# Altium PCB PCBS.PcbDoc
Units mm, origin at the board's own origin, x right, y up, seen from the top; angles counter-clockwise.
Board outline 56.77 x 67.94 mm, 2 copper layers (Top Layer, Bottom Layer); 13 components, 14 nets, 79 pads, 6 vias.
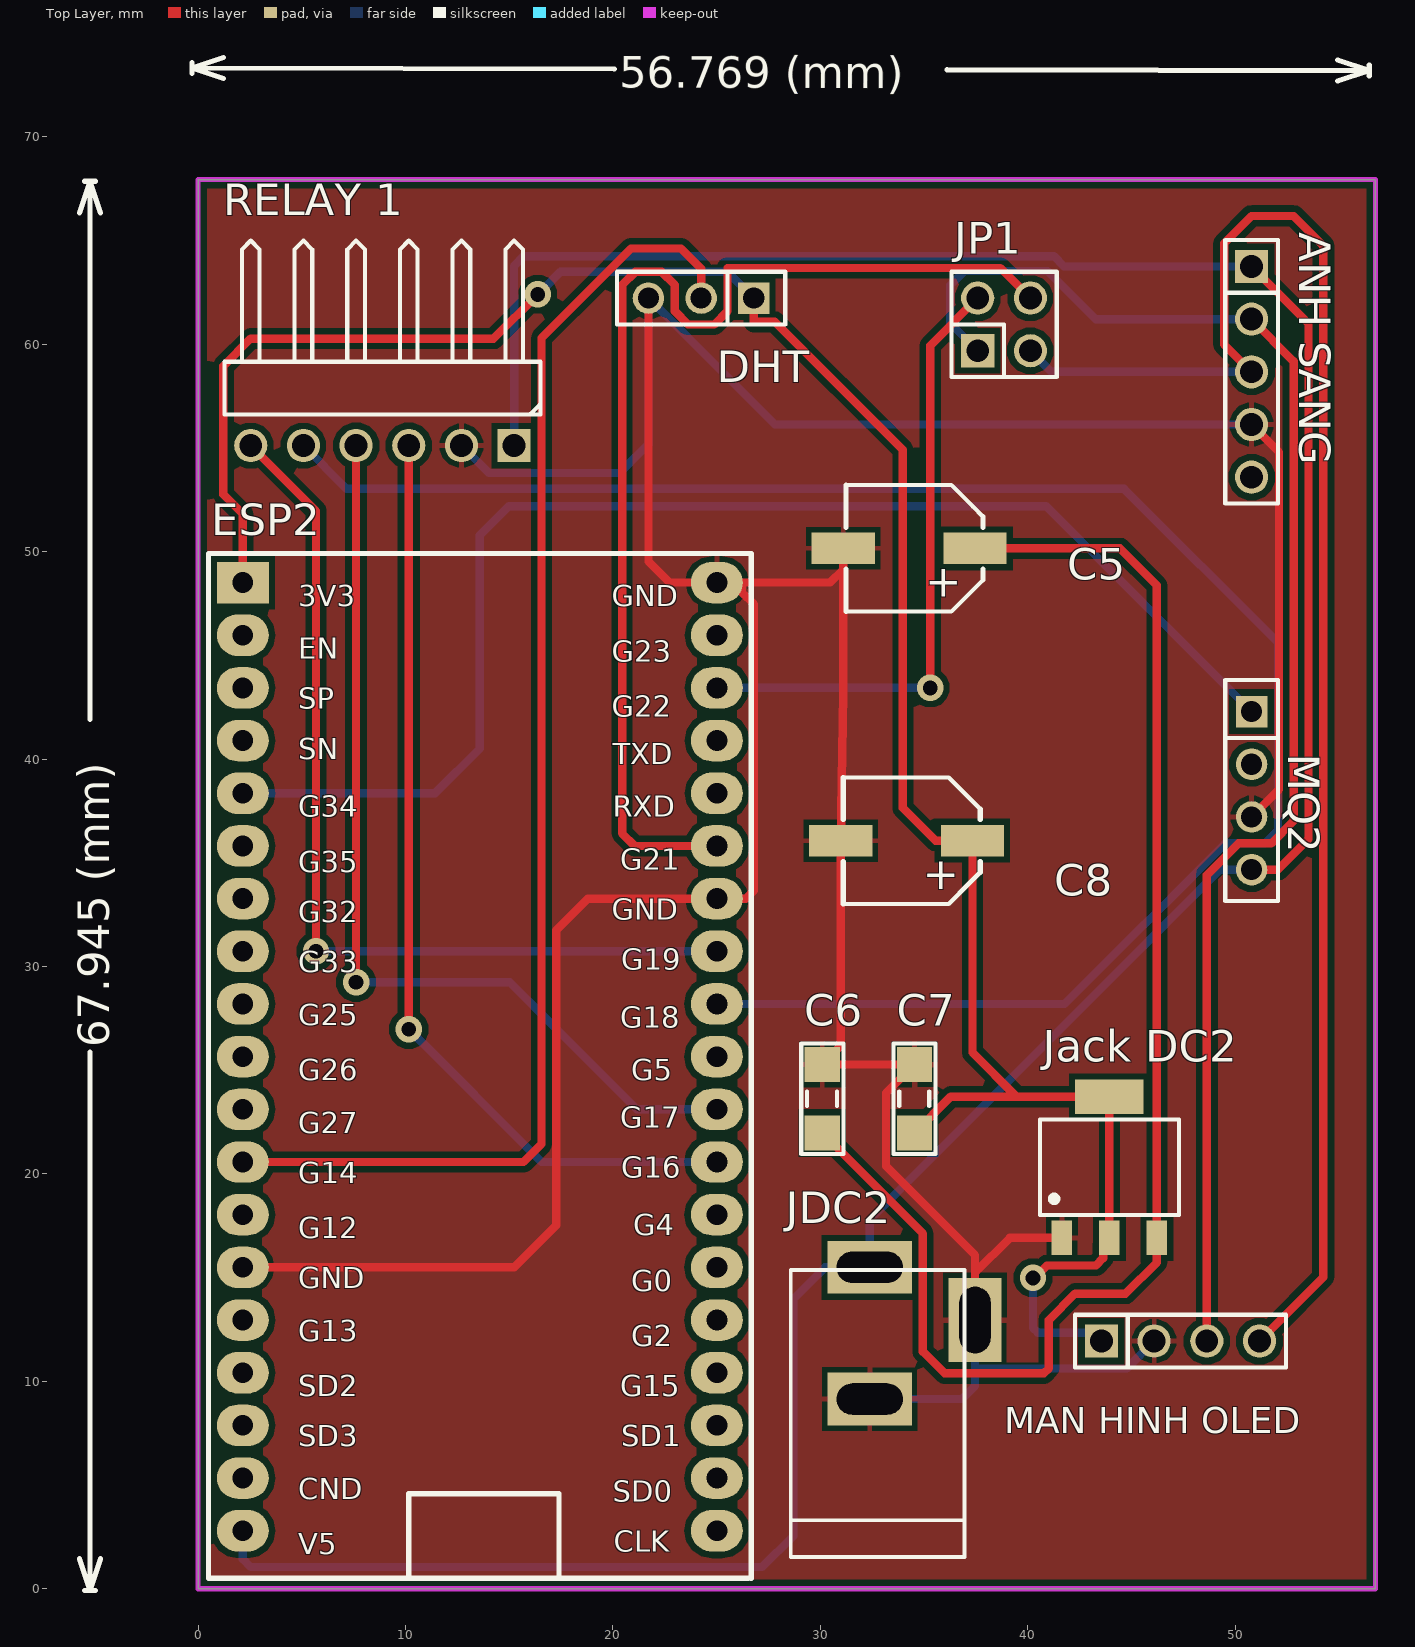
[diagram p0: Top Layer view]
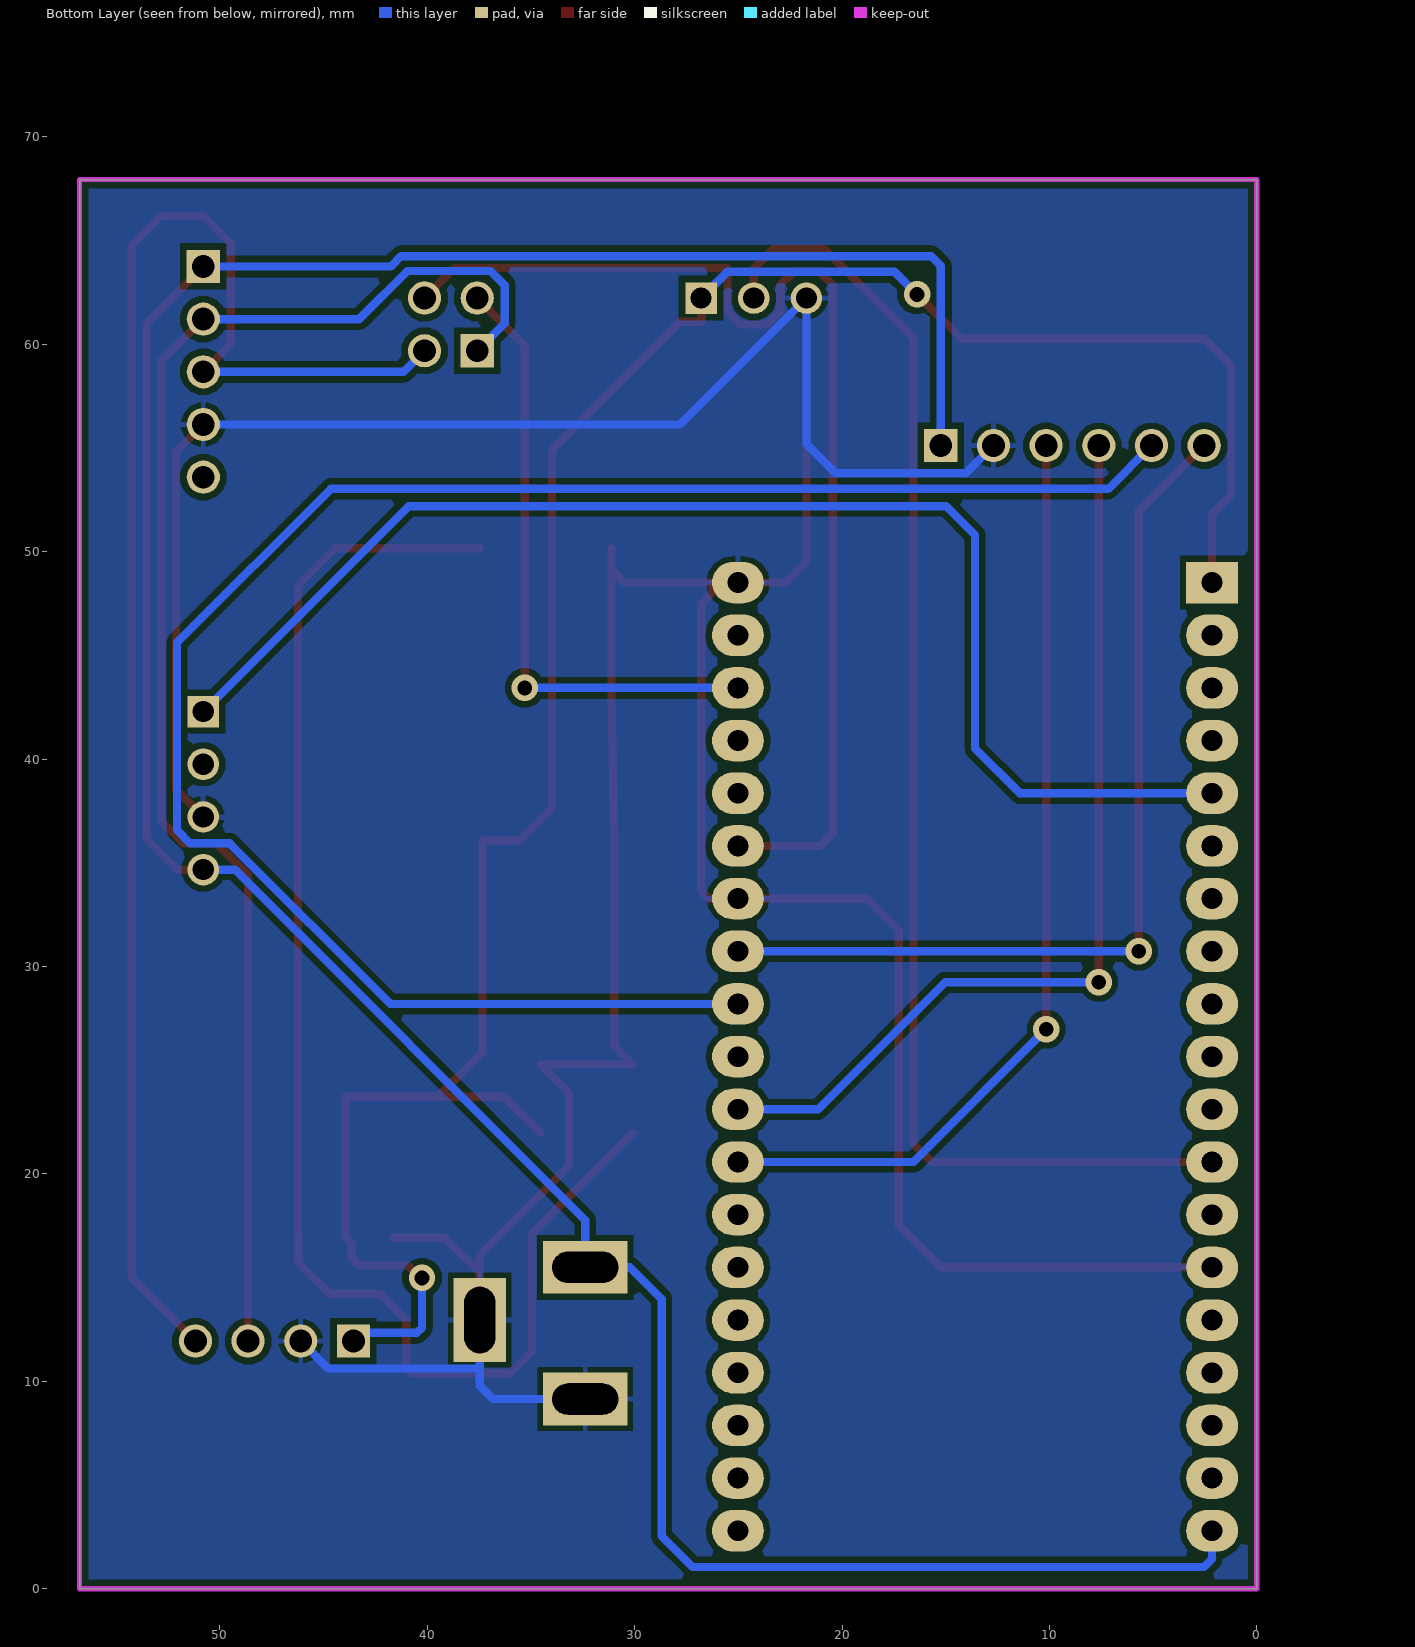
[diagram p1: Bottom Layer view, seen from below]
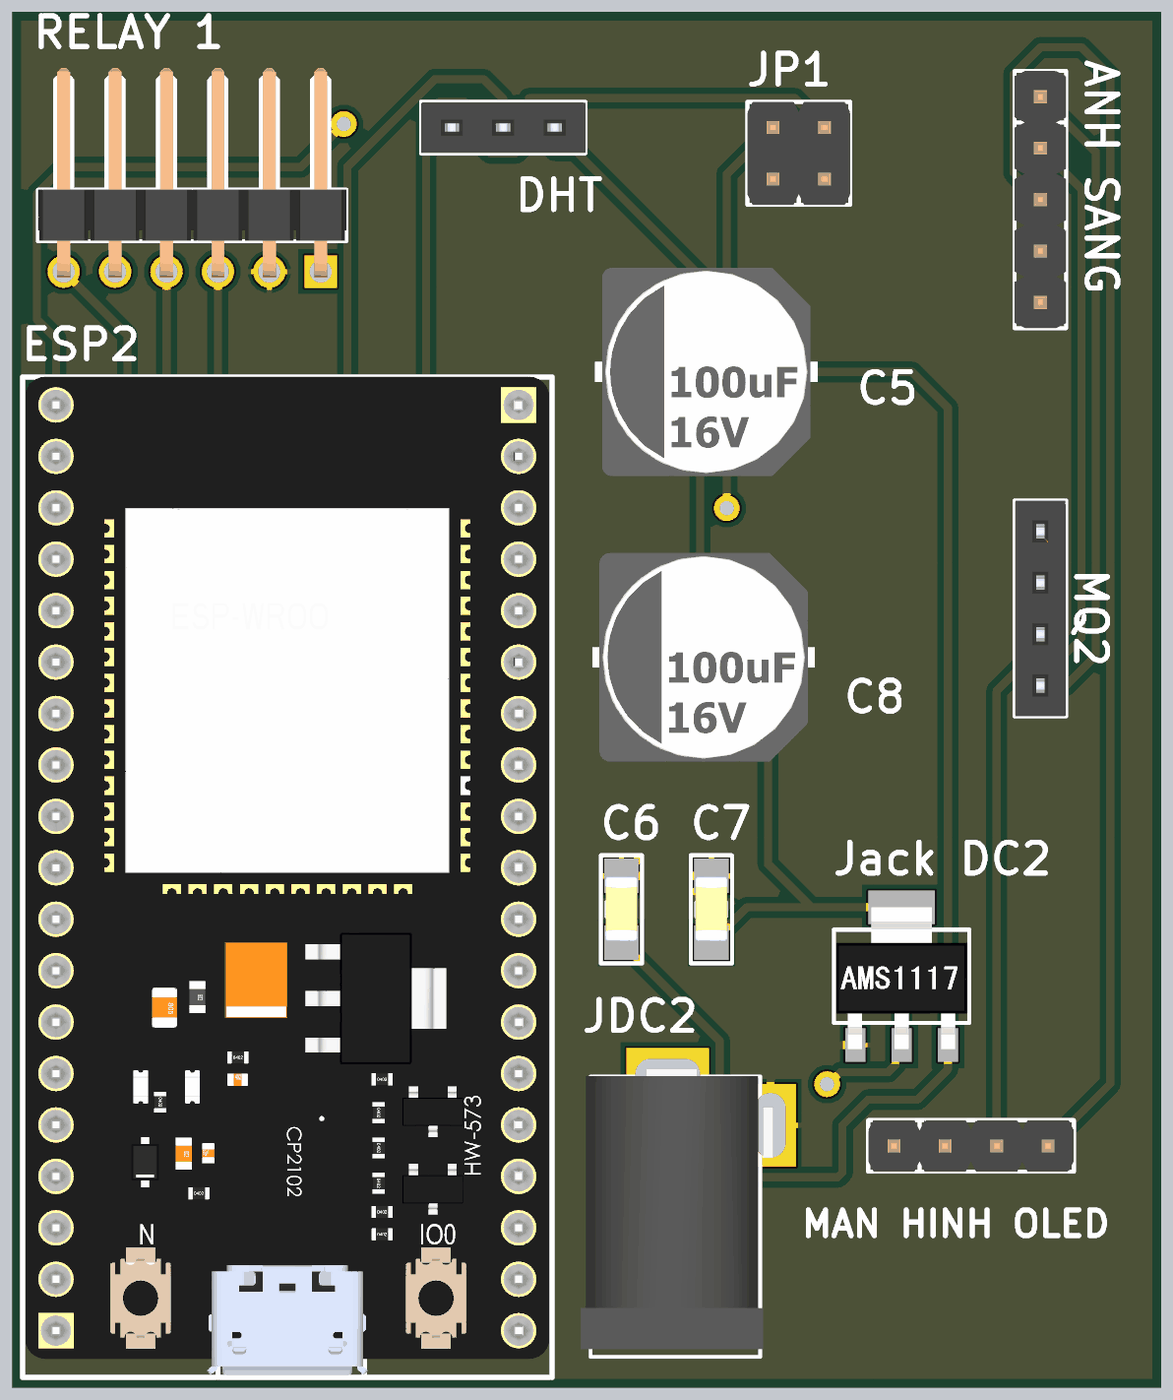
[diagram p2: 3D render of the assembled board from above, using the file's embedded part models]

## Layer stack, top to bottom
Top Solder: solder mask 0.0102, Solder Resist, Dk 3.5
Top Layer: signal copper 0.0356
Dielectric 1: dielectric 0.32, FR-4, Dk 4.8
Bottom Layer: signal copper 0.0356
Bottom Solder: solder mask 0.0102, Solder Resist, Dk 3.5

## Board outline
0,0 56.769,0 56.769,67.945 0,67.945

## Design rules (kind name [scope] priority, off if disabled: settings)
Clearance [All] p1: gap=0.31 ignorepadtopadclearanceinfootprint=FALSE
PolygonConnect [All] p1: connectstyle=Relief reliefconductorwidth=0.254 reliefentries=4 polygonreliefangle="90 Angle" airgapwidth=0.254
RoutingVias [All] p1: holewidth=0.711 width=1.27 viastyle="Through Hole" minholewidth=0.711 minwidth=1.27 maxholewidth=0.711 maxwidth=1.27
SolderMaskExpansion [All] p1: expansion=0.102 istentingtop=FALSE
Width [All] p1: maxlimit=0.5 minlimit=0.3 preferedwidth=0.4
30 further rules are at their usual default settings.

## Components (designator, comment, footprint, x,y, rotation, side; value= is the part's Value field where it differs from the comment)
"ANH SANG" "BH1750FVI" "JP 1x5 DT" 50.8,63.754 r270 top
C5 "100uF" 100UF/16V_SMD 34.29,50.165 r180 top
C6 "104" "tu 1206" 30.099,23.622 r90 top
C7 "104" "tu 1206" 34.544,23.622 r90 top
C8 "100uF" 100UF/16V_SMD 34.163,36.068 r180 top
DHT "DHT22" "JP 1x3 CT" 26.797,62.23 r180 top
ESP2 "ESP32 SLIVE" ESP32_38 13.589,25.654 r0 top
"Jack DC2" "AMS1117" AMS1117 43.942,20.32 r90 top
JDC2 "Jac DC" DC-IN 34.925,12.319 r90 top
JP1 "JP 2x2 2.54" "JP 2x2 DT" 38.862,60.96 r0 top
"MAN HINH OLED" "OLED" "JP 1x4 DT" 43.561,11.938 r0 top
MQ2 "MQ2" "JP 1x4 CT" 50.8,42.291 r270 top (schematic designator MQ1)
"RELAY 1" "RELAY 4 KÊNH" "JP 1x6 DC" 1.27,57.658 r180 top

## Footprints (in the part's own frame and the unit in brackets; to place one, negate y for a bottom-side part, rotate by r counter-clockwise, add the part's x,y. Pads: shape width x height; smd on the part's side, far side on the other; paste and mask are expansions set on the pad)
100UF/16V_SMD [mil]
  rect 120x60 smd: 1(-125,0) 2(125,0)
  silkscreen extent -140,-120 120,120, body extent -217,-203 217,203, height 311
AMS1117 [mm] "SOT-223"
  rect 1.65x1 smd: 1(-3.4,2.29) 2(-3.4,0) 3(-3.4,-2.29)
  rect 1.65x3.3 smd: 2(3.4,0)
  silkscreen extent -2.3,-3.35 2.3,3.35, body extent -3.6,-3.25 3.4,3.25, height 1.87
DC-IN [mm] "Jac DC input"
  rect 2.54x4.064 hole 1.5 slot 3.2 at 90 deg: 1(3.175,2.54) 2(-3.175,2.54)
  rect 4.064x2.54 hole 1.5 slot 3.2 at 0 deg: 3(0.635,-2.54)
  silkscreen extent -10.79,-2.03 3.05,6.35, body extent -10.42,-2.67 3.4,6.84, height 11.02
ESP32_38 [mm] "Microcontoller Board 38 Pins Wifi 2.4GHz BLE 4.2 ESP32-WROOM-32D"
  rect 2.5x2 hole 1: 1(-11.43,22.86)
  oval 2.5x2 hole 1: 2(-11.43,20.32) 3(-11.43,17.78) 4(-11.43,15.24) 5(-11.43,12.7) 6(-11.43,10.16) 7(-11.43,7.62) 8(-11.43,5.08) 9(-11.43,2.54) 10(-11.43,0) 11(-11.43,-2.54) 12(-11.43,-5.08) 13(-11.43,-7.62) 14(-11.43,-10.16) 15(-11.43,-12.7) 16(-11.43,-15.24) 17(-11.43,-17.78) 18(-11.43,-20.32) 19(-11.43,-22.86) 20(11.43,-22.86) 21(11.43,-20.32) 22(11.43,-17.78) 23(11.43,-15.24) 24(11.43,-12.7) 25(11.43,-10.16) 26(11.43,-7.62) 27(11.43,-5.08) 28(11.43,-2.54) 29(11.43,0) 30(11.43,2.54) 31(11.43,5.08) 32(11.43,7.62) 33(11.43,10.16) 34(11.43,12.7) 35(11.43,15.24) 36(11.43,17.78) 37(11.43,20.32) 38(11.43,22.86)
  silkscreen extent -13.08,-25.15 13.08,24.26, body extent -12.95,-25.04 12.95,24.28, height 7.2
"JP 1x3 CT" [mm]
  rect 1.52x1.52 hole 1.02: 1(0,0)
  round 1.52 hole 1.02: 2(2.54,0) 3(5.08,0)
  silkscreen extent -1.52,-1.27 6.6,1.27, body extent -1.52,-1.25 6.6,1.25, height 8.51
"JP 1x4 CT" [mm]
  rect 1.52x1.52 hole 1.02: 1(0,0)
  round 1.52 hole 1.02: 2(2.54,0) 3(5.08,0) 4(7.62,0)
  silkscreen extent -1.52,-1.27 9.14,1.27, body extent -1.52,-1.25 9.14,1.25, height 8.51
"JP 1x4 DT" [mm] "4 pins, 1 row, straight, gold plating"
  rect 1.6x1.6 hole 1.1: 1(0,0)
  round 1.6 hole 1.1: 2(2.54,0) 3(5.08,0) 4(7.62,0)
  silkscreen extent -1.27,-1.27 8.89,1.27, body extent -1.27,-1.27 8.89,1.27, height 8.54
"JP 1x5 DT" [mm] "5 pins, 1 row, straight, gold plating"
  rect 1.6x1.6 hole 1.1: 1(0,0)
  round 1.6 hole 1.1: 2(2.54,0) 3(5.08,0) 4(7.62,0) 5(10.16,0)
  silkscreen extent -1.27,-1.27 11.43,1.27, body extent -1.27,-1.27 11.43,1.27, height 8.54
"JP 1x6 DC" [mm] "6 pins, 1 row, right angled, gold plating"
  rect 1.6x1.6 hole 1.1: 1(-13.97,2.54)
  round 1.6 hole 1.1: 2(-11.43,2.54) 3(-8.89,2.54) 4(-6.35,2.54) 5(-3.81,2.54) 6(-1.27,2.54)
  silkscreen extent -15.24,-7.34 0,1.04, body extent -15.24,-7.52 0,2.84, height 2.54
"JP 2x2 DT" [mm] "JP 2x2 DT"
  rect 1.6x1.6 hole 1.1: 1(-1.27,-1.27)
  round 1.6 hole 1.1: 2(1.27,-1.27) 3(1.27,1.27) 4(-1.27,1.27)
  silkscreen extent -2.54,-2.54 2.54,2.54, body extent -2.54,-2.54 2.54,2.54, height 8.55
"tu 1206" [mm]
  rect 1.7x1.7 smd: 1(-1.65,0) 2(1.65,0)
  silkscreen extent -2.67,-1.02 2.67,1.02, body extent -1.57,-0.8 1.63,0.8, height 0.94

## Part data
"ANH SANG": library part "JP 1x5 2.54 Duc Thang", "Cắm", Chung_Loai=Cắm, Don_Vi=Con, Ma_Hang=MH000903, Ten_Linh_Kien="Jump Đơn Đực 2.54MM 1x40P Thẳng 11MM"
C5 C8: library part Cap100uF_SMD
C6 C7: library part "Tu 1206 104 50V 20%", "Dán", Chung_Loai=Dán, Don_Vi=Con, Ma_Hang=MH004544, So_Chan=2, Ten_Linh_Kien="Tụ 1206 104-0.1uF 20% 50V"
DHT: library part "JP 1x3 2.54 Cai Thang", "Cắm", Chung_Loai=Cắm, Don_Vi=Con, Ma_Hang=MH004006, Ten_Linh_Kien="Jump Đơn Cái 2.54MM 1x20P Thẳng"
ESP2: library part ESP32_38, "Microcontoller Board 38 Pins Wifi 2.4GHz BLE 4.2 ESP32-WROOM-32D", ComponentLink1Description=Datasheet, ComponentLink1URL=https://www.mouser.com/datasheet/2/891/esp32_wroom_32d_esp32_wroom_32u_datasheet_en-1365844.pdf
"Jack DC2": "IC REG LINEAR 1A SOT-89-3L", JLCPCB PN=C963410, ComponentLink1Description=Datasheet, ComponentLink1URL=http://www.advanced-monolithic.com/pdf/ds1117.pdf, Digikey PN=4518-AMS1117-3.3CT-ND
JDC2: library part DCIN, "Jac DC input"
JP1: library part "JP 2x2 2.54 Duc Thang", "Cắm", Chung_Loai=Cắm, Don_Vi=Con, Ma_Hang=MH002686, Ten_Linh_Kien="Jump Đôi Đực 2.54MM 2x40P Thẳng 11MM"
"MAN HINH OLED": library part "JP 1x4 2.54 Duc Thang", "Cắm", Chung_Loai=Cắm, Don_Vi=Con, Ma_Hang=MH000903, Ten_Linh_Kien="Jump Đơn Đực 2.54MM 1x40P Thẳng 11MM"
MQ2: library part "JP 1x4 2.54 Cai Thang", "Cắm", Chung_Loai=Cắm, Don_Vi=Con, Ma_Hang=MH004006, Ten_Linh_Kien="Jump Đơn Cái 2.54MM 1x20P Thẳng"
"RELAY 1": library part "JP 1x6 2.54 Duc Cong", "Cắm", Chung_Loai=Cắm, Don_Vi=Con, Ma_Hang=MH000904, Ten_Linh_Kien="Jump Đơn Đực 2.54MM 1x40P Cong Đứng"

## Via types
v1: diameter 1.27, hole 0.711, Top Layer to Bottom Layer, 6 vias

## Nets (pads, with @x,y where several pads share a name; then routed paths per layer and width w, separated by ;. In a path a pad name is that pad's centre, name@x,y a point inside that pad or via, vN(x,y) a via of type N, cw(c..) or ccw(c..) an arc to the next point about the centre after c; other vN are vias at no path point)
+3.3V: "Jack DC2.2" "MAN HINH OLED.1" C7.1 C8.1 DHT.1 ESP2.1 | length 112
  Top Layer w0.4: ESP2.1 2.159,51.816 1.219,52.756 1.219,58.953 2.54,60.274 14.249,60.274 v1(16.383,62.408) ; DHT.1 26.797,61.087 27.813,61.087 33.985,54.915 33.985,37.643 35.56,36.068 C8.1 37.338,25.857 39.475,23.72 ; C7.1 36.292,23.72 39.475,23.72 ; v1(40.259,14.986) 40.329,14.986 40.928,15.585 43.293,15.585 43.642,15.934 43.642,16.62 43.942,16.92 43.942,23.72 39.475,23.72
  Bottom Layer w0.4: v1(16.383,62.408) 17.475,63.5 25.527,63.5 DHT.1 ; v1(40.259,14.986) 40.259,12.576 40.493,12.342 43.157,12.342 43.561,11.938
+5: "ANH SANG.1" "RELAY 1.1" ESP2.19 JDC2.1 MQ2.4 | length 148.9
  Top Layer w0.4: MQ2.4 52.07,34.671 53.541,36.142 53.541,61.013 50.8,63.754
  Bottom Layer w0.4: ESP2.19 2.159,1.422 2.54,1.041 27.203,1.041 28.702,2.54 28.702,13.97 30.226,15.494 JDC2.1 32.385,17.78 49.276,34.671 MQ2.4 ; 15.24,55.118 15.24,62.33 15.238,62.332 15.238,63.785 15.703,64.25 41.262,64.25 41.758,63.754 50.8,63.754
+5V: "Jack DC2.3" C5.1 C6.1 | length 70
  Top Layer w0.4: C6.1 34.95,17.121 34.95,11.43 35.992,10.389 40.787,10.389 41.021,10.623 41.021,12.954 42.291,14.224 44.724,14.224 46.23,15.729 46.23,16.918 46.232,16.92 46.232,48.383 44.45,50.165 C5.1
DHT22: DHT.2 ESP2.12 | length 64.9
  Top Layer w0.4: ESP2.12 15.697,20.574 16.561,21.438 16.561,60.304 20.874,64.618 23.289,64.618 24.257,63.65 DHT.2
GND: "ANH SANG.4" "Jack DC2.1" "MAN HINH OLED.2" "RELAY 1.2" C5.2 C6.2 C7.2 C8.2 DHT.3 ESP2.14 ESP2.32 ESP2.38 JDC2.2 JDC2.3 MQ2.3 | length 214.1
  Top Layer w0.4: ESP2.14 15.24,15.494 17.272,17.526 17.272,31.75 18.796,33.274 ESP2.32 26.416,33.274 26.797,33.655 26.797,47.473 26.238,48.031 ESP2.38@26.238,48.514 ; DHT.3 21.717,49.53 22.733,48.514 ESP2.38 ESP2.38@26.238,48.514 ; C5.2 31.115,49.149 ; JDC2.3 37.465,15.24 ; 41.652,16.92 39.145,16.92 37.465,15.24 ; MQ2.3 52.121,38.532 52.121,54.813 50.8,56.134 ; ESP2.38@26.238,48.514 30.48,48.514 31.115,49.149 ; 31.115,49.149 31.115,43.18 C8.2 30.988,26.161 C6.2 C7.2 33.172,23.9 33.172,20.371 37.465,16.078 37.465,15.24
  Bottom Layer w0.4: 12.7,55.118 14.021,53.797 20.32,53.797 21.717,55.194 DHT.3 27.813,56.134 50.8,56.134 ; JDC2.2 36.83,9.144 37.465,9.779 37.465,10.617 ; JDC2.3 37.465,10.617 ; 46.101,11.938 44.78,10.617 37.465,10.617
IO21: ESP2.33 JP1.3 | length 56
  Top Layer w0.4: ESP2.33 21.057,35.814 20.447,36.424 20.447,62.865 21.082,63.5 22.352,63.5 22.987,62.865 22.987,61.595 23.622,60.96 24.892,60.96 25.527,61.595 25.527,63.678 38.684,63.678 JP1.3
IO22: ESP2.36 JP1.4 | length 30
  Top Layer w0.4: v1(35.306,43.434) 35.306,59.944 JP1.4
  Bottom Layer w0.4: ESP2.36 v1(35.306,43.434)
MQ2: ESP2.5 MQ2.1 | length 64.5
  Bottom Layer w0.4: ESP2.5 11.43,38.354 13.589,40.513 13.589,50.8 14.986,52.197 40.894,52.197 MQ2.1
RL1: "RELAY 1.3" ESP2.27 | length 45.7
  Top Layer w0.4: v1(10.16,26.975) 10.16,55.118
  Bottom Layer w0.4: v1(10.16,26.975) 16.561,20.574 ESP2.27
RL2: "RELAY 1.4" ESP2.28 | length 45.8
  Top Layer w0.4: v1(7.62,29.235) 7.62,55.118
  Bottom Layer w0.4: v1(7.62,29.235) 15.037,29.235 21.158,23.114 ESP2.28
RL3: "RELAY 1.5" ESP2.30 | length 90.5
  Bottom Layer w0.4: 5.08,55.118 7.163,53.035 44.653,53.035 52.07,45.618 52.07,36.576 51.435,35.941 49.53,35.941 41.783,28.194 ESP2.30
RL4: "RELAY 1.6" ESP2.31 | length 45
  Top Layer w0.4: 2.54,55.118 5.69,51.968 v1(5.69,30.734)
  Bottom Layer w0.4: v1(5.69,30.734) ESP2.31
SCL: "ANH SANG.2" "MAN HINH OLED.3" JP1.1 | length 72.3
  Top Layer w0.4: 48.641,11.938 48.641,34.417 50.165,35.941 51.752,35.941 52.831,37.019 52.831,59.183 50.8,61.214
  Bottom Layer w0.4: JP1.1 36.271,61.011 36.271,62.865 36.946,63.54 40.956,63.54 43.282,61.214 50.8,61.214
SDA: "ANH SANG.3" "MAN HINH OLED.4" JP1.2 | length 77.9
  Top Layer w0.4: 50.8,58.674 49.479,59.995 49.479,64.872 50.8,66.192 52.832,66.192 54.254,64.77 54.254,15.011 51.181,11.938
  Bottom Layer w0.4: JP1.2 41.148,58.674 50.8,58.674
pads on no net: "ANH SANG.5" ESP2.2 ESP2.3 ESP2.4 ESP2.6 ESP2.7 ESP2.8 ESP2.9 ESP2.10 ESP2.11 ESP2.13 ESP2.15 ESP2.16 ESP2.17 ESP2.18 ESP2.20 ESP2.21 ESP2.22 ESP2.23 ESP2.24 ESP2.25 ESP2.26 ESP2.29 ESP2.34 ESP2.35 ESP2.37 MQ2.2

## Polygon pours and split planes (outlines as drawn)
GND on Top Layer "GND_L01_P000" (solid, pour order 0): 0,67.945 56.769,67.945 56.769,0 0,0
GND on Bottom Layer "GND_L02_P001" (solid, pour order 1): 0,67.945 56.769,67.945 56.769,0 0,0

## Keep-outs
Keep-Out Layer:
  the board outline again, w0.254

## Silkscreen, mask and mechanical layers (free items; w line width, h text height)
Top Overlay:
  lines w0.254: -5.715,1.438 -5.207,-0.086 ; -5.715,66.335 -5.207,67.859 ; -5.461,-0.086 -4.953,-0.086 ; -5.461,67.859 -4.953,67.859 ; -5.207,25.862 -5.207,-0.086 ; -5.207,41.91 -5.207,67.859 ; -4.699,1.438 -5.207,-0.086 ; -4.699,66.335 -5.207,67.859 ; -0.295,73.071 -0.294,73.579 ; 1.228,72.813 -0.295,73.325 ; 1.231,73.829 -0.295,73.325 ; 20.066,73.279 -0.295,73.325 ; 36.114,73.243 56.474,73.198 ; 54.949,72.693 56.474,73.198 ; 54.952,73.709 56.474,73.198 ; 56.474,72.944 56.475,73.452
  text "56.769 (mm)" at 20.318,72.364 h1.52 r359.87
  text "67.945 (mm)" at -4.293,26.116 h1.52 r90

## Text inside footprints (layer, text, board x,y; h text height)
C5: Top Overlay "+" at 36.83,49.149 h1.52 r180
C8: Top Overlay "+" at 36.703,35.052 h1.52 r180
ESP2: Top Overlay "SP" at 4.826,42.418 h1.02; Top Overlay "SD3" at 4.826,6.858 h1.02; Top Overlay "SD2" at 4.826,9.271 h1.02; Top Overlay "G32" at 4.826,32.131 h1.02; Top Overlay "SD0" at 19.985,4.191 h1.02; Top Overlay "CLK" at 20.033,1.778 h1.02; Top Overlay "G35" at 4.826,34.544 h1.02; Top Overlay "SN" at 4.826,40.005 h1.02; Top Overlay "G34" at 4.826,37.211 h1.02; Top Overlay "G14" at 4.826,19.558 h1.02; Top Overlay "G26" at 4.826,24.511 h1.02; Top Overlay "G27" at 4.826,21.971 h1.02; Top Overlay "G33" at 4.826,29.718 h1.02; Top Overlay "G25" at 4.826,27.178 h1.02; Top Overlay "TXD" at 19.985,39.751 h1.02; Top Overlay "G22" at 19.939,42.037 h1.02; Top Overlay "RXD" at 19.985,37.211 h1.02; Top Overlay "G2" at 20.892,11.684 h1.02; Top Overlay "SD1" at 20.401,6.858 h1.02; Top Overlay "G15" at 20.356,9.271 h1.02; Top Overlay "G0" at 20.892,14.351 h1.02; Top Overlay "3V3" at 4.826,47.371 h1.02; Top Overlay "EN" at 4.826,44.831 h1.02; Top Overlay "GND" at 19.939,47.371 h1.02; Top Overlay "G23" at 19.939,44.704 h1.02; Top Overlay "G5" at 20.892,24.511 h1.02; Top Overlay "G19" at 20.401,29.845 h1.02; Top Overlay "GND" at 19.939,32.258 h1.02; Top Overlay "G21" at 20.356,34.671 h1.02; Top Overlay "G17" at 20.356,22.225 h1.02; Top Overlay "G18" at 20.356,27.051 h1.02; Top Overlay "G4" at 20.977,17.035 h1.02; Top Overlay "G16" at 20.401,19.812 h1.02; Top Overlay "V5" at 4.826,1.651 h1.02; Top Overlay "GND" at 4.826,14.478 h1.02; Top Overlay "G12" at 4.826,16.891 h1.02; Top Overlay "G13" at 4.826,11.938 h1.02; Top Overlay "CND" at 4.826,4.318 h1.02